# Allegro board WNS_FDM_2V1-1221P2.brd (continued)
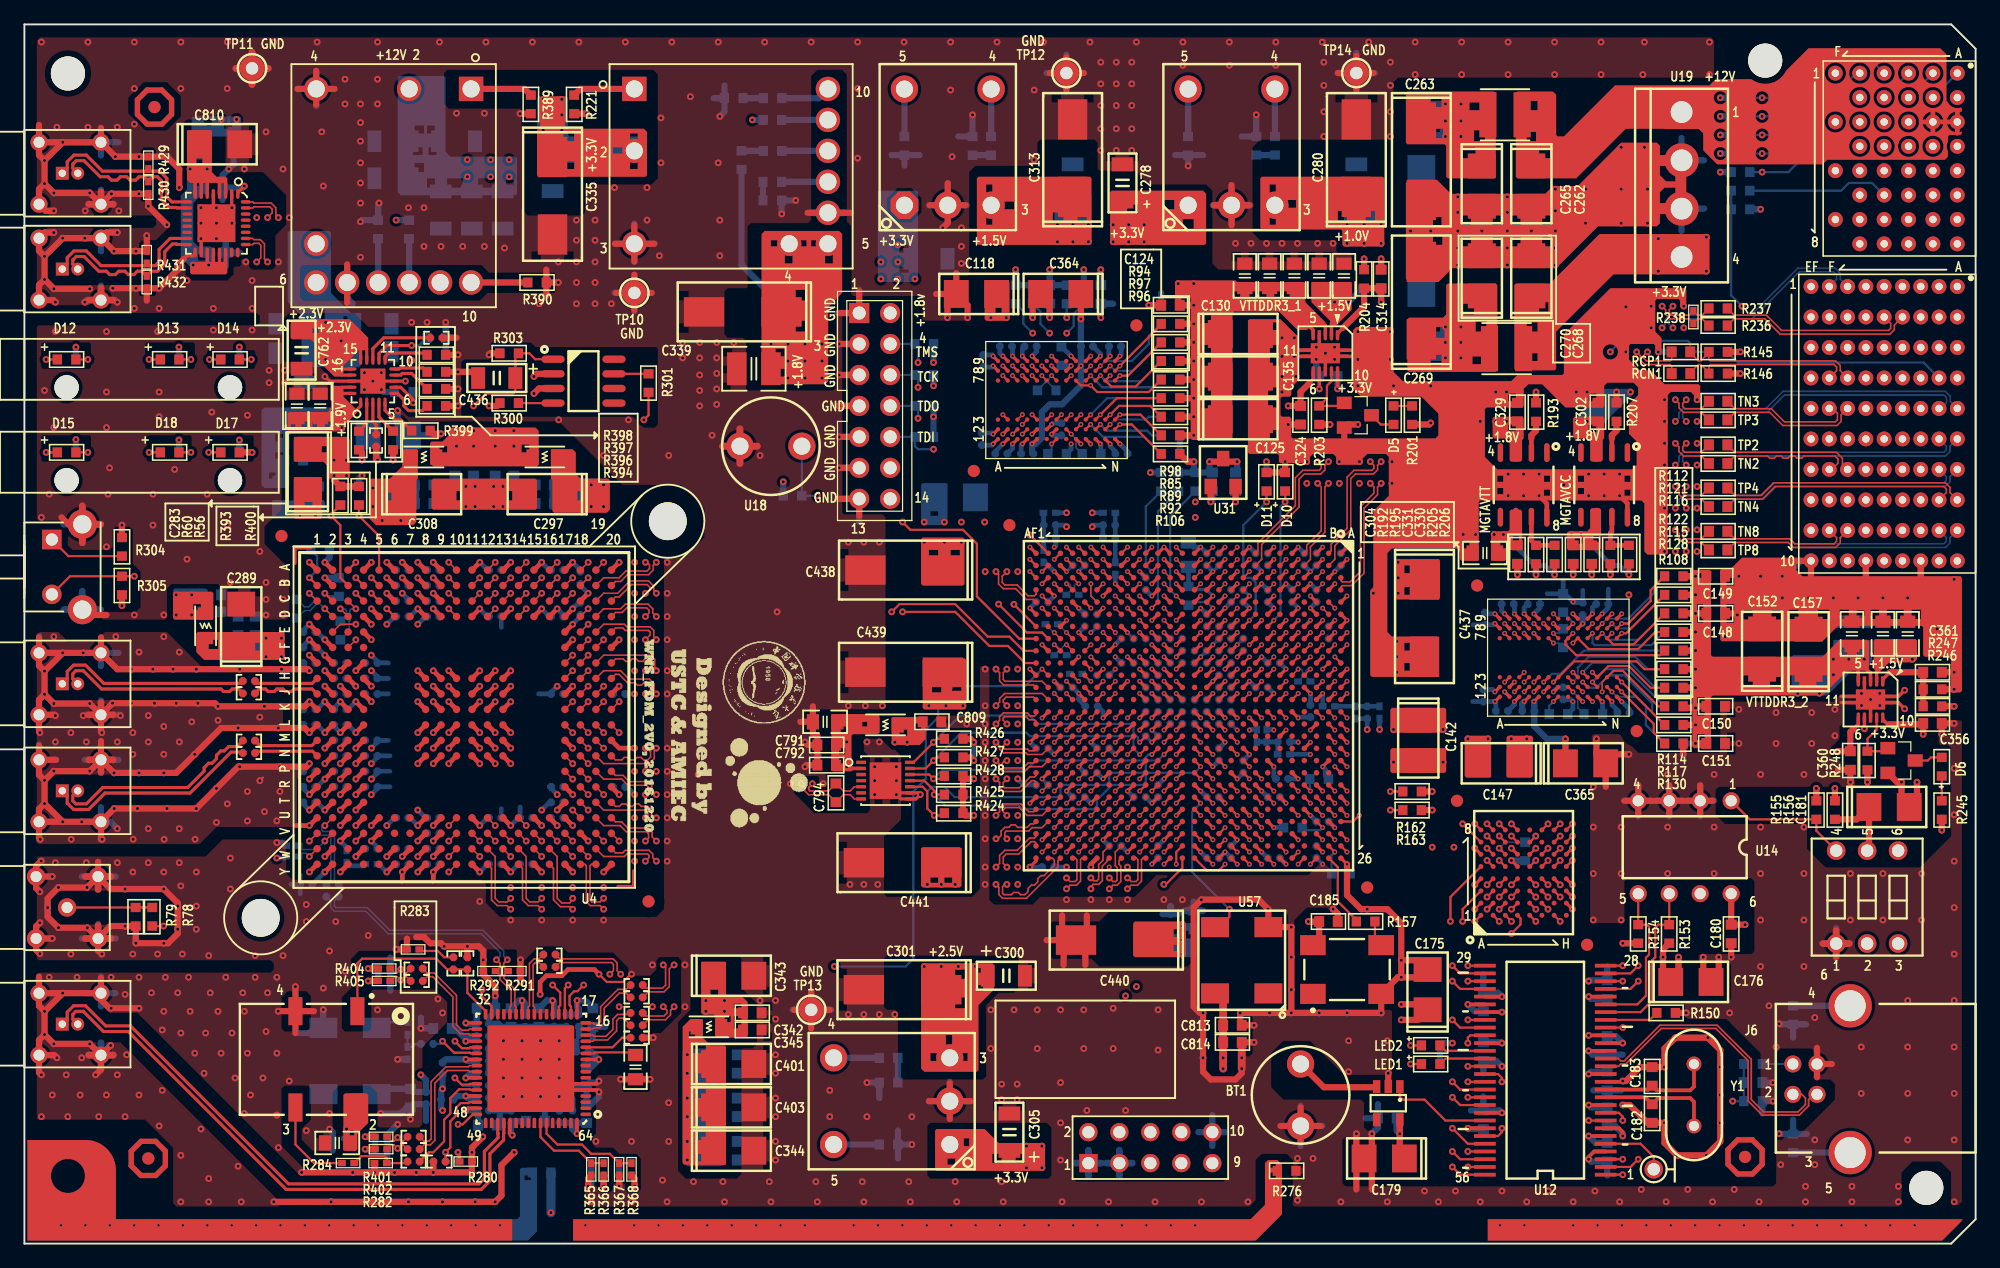
[diagram p0: board, top side]
## Copper pours and planes (outline as drawn; the poured copper is in the pictures) (continued)
+2.5V on BOTTOM: 73.53,22.61 73.53,34.29 73.91,34.67 81.66,34.67 82.3,35.31 84.84,35.31 85.34,34.8 88.65,34.8 88.77,34.92 88.77,36.45 89.15,36.83 89.66,36.83 89.79,36.96 89.79,37.21 89.92,37.34 90.42,37.34 90.55,37.21 90.55,36.96 90.3,36.7 90.3,36.07 90.55,35.81 91.95,35.81 92.33,35.43 92.33,27.43 91.19,26.29 78.49,26.29 78.23,26.04 78.23,22.61 78.11,22.48 73.66,22.48 ; 2 cut-outs
+2.5V on ART03: 73.91,29.21 77.85,29.21 78.61,29.97 83.69,29.97 85.09,31.37 90.68,31.37 91.06,31.75 91.06,33.4 91.69,34.04 91.69,34.42 92.08,34.8 92.08,37.47 91.82,37.72 87.12,37.72 86.87,37.47 86.87,36.2 86.49,35.81 84.58,35.81 81.79,33.02 73.91,33.02 73.79,32.89 73.79,29.34
+3.3V on TOP (solid shape): 73.91,43.05 73.91,41.4 73.41,40.89 71.25,40.89 71.12,41.02 71.12,41.66 72.39,41.66 72.39,42.16 73.53,42.16 73.53,42.67 73.03,42.67 73.03,42.16 71.75,42.16 71.75,41.66 71.12,41.66 71.12,43.05 71.25,43.18 73.79,43.18
+3.3V on TOP (solid shape): 95.25,26.29 95.25,23.62 95.12,23.5 91.06,23.5 90.93,23.62 90.93,24 94.74,24 94.74,24.51 93.98,24.51 93.98,24 90.93,24 90.93,25.15 94.74,25.15 94.74,25.78 93.98,25.78 93.98,25.15 90.93,25.15 90.93,26.29 91.06,26.42 95.12,26.42
+3.3V on TOP (solid shape): 96.9,86.11 96.9,82.04 96.77,81.92 89.15,81.92 89.03,82.04 89.03,83.06 95.89,83.06 95.89,84.71 95,84.71 95,83.06 89.03,83.06 89.03,84.45 91.31,84.45 91.31,84.84 94.74,84.84 94.74,85.6 93.34,85.6 93.34,84.84 91.31,84.84 91.31,85.22 90.42,85.22 90.42,84.45 89.03,84.45 89.03,86.23 89.15,86.36 96.65,86.36
+3.3V on TOP (solid shape): 79.88,8.26 83.57,8.26 83.69,8.13 83.69,6.1 83.57,5.97 74.8,5.97 74.68,6.1 74.68,6.48 76.33,6.48 76.33,6.6 82.04,6.6 82.04,7.37 81.28,7.37 81.28,6.6 80.14,6.6 80.14,7.37 79.38,7.37 79.38,6.6 76.33,6.6 76.33,7.62 75.69,7.62 75.69,6.48 74.68,6.48 74.68,8 77.47,8 77.47,8.64 76.45,8.64 76.45,8 74.68,8 74.68,9.27 74.8,9.4 78.74,9.4
+3.3V on TOP (solid shape): 120.78,78.61 120.78,71.63 120.65,71.5 113.54,71.5 113.41,71.63 113.41,72.01 116.2,72.01 116.2,72.14 119.76,72.14 119.76,72.77 118.75,72.77 118.75,72.14 116.2,72.14 116.2,72.9 115.32,72.9 115.32,72.01 113.41,72.01 113.41,74.3 116.46,74.3 116.46,74.8 119.89,74.8 119.89,75.69 119,75.69 119,74.8 116.46,74.8 116.46,75.18 115.57,75.18 115.57,74.3 113.41,74.3 113.41,75.82 113.54,75.95 116.33,75.95 116.59,76.2 118.87,76.2 118.87,77.09 117.98,77.09 117.98,76.2 116.59,76.2 116.59,78.61 116.71,78.74 120.65,78.74
+3.3V on TOP (solid shape): 57.53,22.99 57.53,20.45 57.66,20.32 58.8,20.32 59.31,19.81 59.31,17.02 59.18,16.89 56.77,16.89 56.64,17.02 56.64,17.65 58.8,17.65 58.8,18.67 58.17,18.67 58.17,17.65 56.64,17.65 56.64,18.16 57.91,18.16 57.91,18.67 57.4,18.67 57.4,18.16 56.64,18.16 56.64,18.67 56.52,18.8 55.63,18.8 55.5,18.92 55.5,19.3 58.8,19.3 58.8,19.68 58.17,19.68 58.17,19.3 55.5,19.3 55.5,20.32 56.9,20.32 56.9,20.95 56.26,20.95 56.26,20.32 55.5,20.32 55.5,22.99 55.63,23.11 57.4,23.11
+3.3V on TOP (solid shape): 44.32,93.98 44.32,91.69 44.58,91.44 50.8,91.44 51.05,91.19 51.05,87.63 50.93,87.5 42.16,87.5 42.04,87.63 42.04,88.14 50.29,88.14 50.29,89.15 49.66,89.15 49.66,88.14 45.09,88.14 45.09,88.77 44.32,88.77 44.32,88.14 42.04,88.14 42.04,89.41 49.4,89.41 49.4,89.92 48.26,89.92 48.26,89.41 42.04,89.41 42.04,90.42 50.29,90.42 50.29,91.06 49.66,91.06 49.66,90.42 45.09,90.42 45.09,91.06 44.2,91.06 44.2,90.42 42.04,90.42 42.04,91.31 42.29,91.57 42.29,93.98 42.42,94.11 44.2,94.11
+3.3V on BOTTOM (solid shape): 73.28,86.23 73.28,78.99 73.15,78.87 70.1,78.87 69.98,78.99 69.98,79.63 72.52,79.63 72.52,80.14 71.75,80.14 71.75,79.63 69.98,79.63 69.98,81.28 72.52,81.28 72.52,81.92 71.75,81.92 71.75,81.28 69.98,81.28 69.98,86.23 70.1,86.36 73.15,86.36
+3.3V on BOTTOM (solid shape): 96.39,26.16 96.39,23.62 96.27,23.5 93.6,23.5 93.47,23.62 93.47,25.02 95.76,25.02 95.76,25.65 95.12,25.65 95.12,25.02 93.47,25.02 93.47,25.4 94.49,25.4 94.49,26.04 93.98,26.04 93.98,25.4 93.47,25.4 93.47,26.16 93.6,26.29 96.27,26.29
+3.3V on BOTTOM (solid shape): 117.98,75.44 117.98,72.52 117.86,72.39 113.67,72.39 113.54,72.52 113.54,73.15 116.08,73.15 116.08,73.79 115.19,73.79 115.19,73.15 113.54,73.15 113.54,74.8 116.08,74.8 116.08,75.18 115.32,75.18 115.32,74.8 113.54,74.8 113.54,75.44 113.67,75.56 117.86,75.56
+3.3V on BOTTOM (solid shape): 44.58,93.98 44.58,90.93 44.7,90.81 50.67,90.81 51.05,90.42 51.05,89.03 50.67,88.65 42.16,88.65 42.04,88.77 42.04,89.66 44.58,89.66 44.58,90.3 43.81,90.3 43.81,89.66 43.05,89.66 43.05,90.3 42.42,90.3 42.42,89.66 42.04,89.66 42.04,93.98 42.16,94.11 44.45,94.11
+3.3V on BOTTOM (solid shape): 17.78,92.33 17.78,90.93 17.65,90.81 15.11,90.81 14.99,90.93 13.84,90.93 13.72,91.06 13.72,91.44 17.02,91.44 17.02,91.95 16.38,91.95 16.38,91.44 13.72,91.44 13.72,91.69 15.37,91.69 15.37,92.2 14.73,92.2 14.73,91.69 13.72,91.69 13.72,92.33 13.84,92.46 17.65,92.46
+3.3V on POWER05: 54.23,3.56 54.23,16.93 55.5,18.2 55.5,24.21 53.55,26.16 39.45,26.16 38.73,26.88 38.73,28.53 37.8,29.46 37.04,29.46 36.58,29.93 36.58,57.11 31.83,61.85 19.22,61.85 17.91,60.54 17.91,51.52 17.57,51.18 6.1,51.18 5.33,50.42 4.06,50.42 3.3,51.18 1.52,51.18 1.52,75.31 19.39,75.31 20.19,76.12 20.19,77.47 22.48,79.76 22.48,82.68 23.37,83.57 23.37,89.62 22.31,90.68 16.21,90.68 15.11,91.78 15.11,97.96 15.63,98.48 157.37,98.48 158.48,97.37 158.48,3.05 104.39,3.05 104.01,3.43 104.01,6.6 103.25,7.37 101.73,7.37 100.97,6.6 100.97,3.56 100.46,3.05 54.74,3.05 ; 1 cut-out
+3.3V on POWER06: 56.01,3.68 56.01,16.47 55.5,16.97 55.5,23.84 55.53,23.88 55.5,24.05 55.5,28.28 54.48,29.29 54.48,58 48.47,64.01 28.62,64.01 25.4,60.79 25.4,53.19 25.02,52.81 25.02,52.05 24.66,51.69 22.94,51.69 22.69,51.94 22.27,51.94 21.51,51.18 6.1,51.18 5.33,50.42 4.06,50.42 3.3,51.18 1.52,51.18 1.52,75.31 19.39,75.31 20.19,76.12 20.19,77.47 22.48,79.76 22.48,82.68 23.37,83.57 23.37,89.62 22.31,90.68 16.21,90.68 15.11,91.78 15.11,97.96 15.63,98.48 157.37,98.48 158.48,97.37 158.48,3.05 104.39,3.05 104.01,3.43 104.01,6.6 103.25,7.37 101.73,7.37 100.97,6.6 100.97,3.56 100.46,3.05 56.64,3.05 ; 1 cut-out
+3.3V on ART08: 92.58,41.78 92.33,41.53 92.33,40.77 92.84,40.26 92.84,38.35 93.22,37.97 93.85,37.97 94.36,38.48 94.87,38.48 95.12,38.73 95.12,41.53 94.87,41.78
+3.3V_BUF on TOP (solid shape): 16.64,80.39 16.64,79.63 16.51,79.5 13.72,79.5 13.59,79.63 13.59,80.39 13.72,80.52 16.51,80.52
+3.3V_BUF on TOP (solid shape): 15.37,91.19 15.37,87.88 15.75,87.5 16.51,87.5 16.64,87.38 16.64,87.12 16.51,87 13.59,87 13.34,87.25 13.34,88.52 14.61,88.52 14.61,89.41 14.1,89.41 14.1,88.52 13.34,88.52 13.34,91.19 13.46,91.31 15.24,91.31
+3.3V_BUF on BOTTOM (solid shape): 15.24,89.79 15.24,87.25 15.11,87.12 15.11,86.23 14.99,86.11 14.61,86.11 13.84,85.34 13.84,82.17 14.22,81.79 15.24,81.79 15.37,81.66 15.37,80.14 15.24,80.01 13.72,80.01 13.08,80.64 14.86,80.64 14.86,81.15 14.22,81.15 14.22,80.64 13.08,80.64 12.83,80.9 12.83,85.98 13.34,86.49 13.34,86.74 14.73,86.74 14.73,87.25 13.97,87.25 13.97,86.74 13.34,86.74 13.34,88.52 14.61,88.52 14.61,89.15 14.1,89.15 14.1,88.52 13.34,88.52 13.34,89.66 13.59,89.92 15.11,89.92
+3.3V_IN on TOP (solid shape): 138.18,82.68 138.18,79.63 138.05,79.5 130.3,79.5 125.6,74.8 125.6,71.75 125.48,71.63 122.3,71.63 122.17,71.75 122.17,72.39 124.08,72.39 124.08,73.03 123.32,73.03 123.32,72.39 122.17,72.39 122.17,74.8 124.08,74.8 124.08,75.56 123.19,75.56 123.19,74.8 122.17,74.8 122.17,76.45 124.97,76.45 124.97,77.22 124.21,77.22 124.21,76.45 122.17,76.45 122.17,78.61 122.3,78.74 125.09,78.74 129.16,82.8 138.05,82.8
+3.3V_IN on ART08, ART10: 145.67,91.06 155.57,91.06 155.7,90.93 155.7,85.22 155.32,84.84 147.96,84.84 141.73,78.61 133.86,78.61 133.73,78.74 133.73,82.8 133.99,83.06 138.94,83.06 140.21,84.33 140.21,89.53 140.34,89.66 143.13,89.66 143.89,90.42 145.03,90.42
+3.3V_T on TOP (solid shape): 70.1,43.31 70.1,41.91 69.98,41.78 67.94,41.78 67.82,41.66 67.82,39.24 67.94,39.12 67.94,38.86 67.82,38.73 66.29,38.73 66.17,38.86 66.17,39.37 67.31,39.37 67.31,39.88 66.8,39.88 66.8,39.37 66.17,39.37 66.17,40.13 67.31,40.13 67.31,40.64 66.8,40.64 66.8,40.13 66.17,40.13 66.17,41.91 67.44,41.91 67.44,42.42 69.47,42.42 69.47,42.8 68.71,42.8 68.71,42.42 66.93,42.42 66.93,41.91 66.17,41.91 66.17,43.31 66.29,43.43 69.98,43.43
+3.3V_T on ART03: 78.23,35.05 77.72,34.54 67.44,34.54 67.06,34.92 67.06,41.78 67.18,41.91 74.93,41.91 76.96,39.88 78.11,39.88 78.23,39.75
+3.3VPLL on TOP (solid shape): 28.19,12.19 28.19,9.91 27.3,9.02 27.3,7.75 27.18,7.62 26.29,7.62 26.16,7.75 26.16,8.64 27.05,8.64 27.05,9.27 26.67,9.27 26.67,8.64 26.16,8.64 26.16,12.19 26.29,12.32 28.07,12.32
+3.3VPLL on TOP (solid shape): 55.63,18.29 55.63,16.89 56.26,16.26 57.4,16.26 57.53,16.13 57.53,6.6 57.4,6.48 54.1,6.48 53.98,6.6 53.98,6.73 55.88,6.73 55.88,7.37 54.99,7.37 54.99,6.73 53.98,6.73 53.98,8.51 55.88,8.51 55.88,9.14 54.99,9.14 54.99,8.51 53.98,8.51 53.98,9.65 55.88,9.65 55.88,10.41 54.99,10.41 54.99,9.65 53.98,9.65 53.98,11.94 55.88,11.94 55.88,12.7 54.99,12.7 54.99,11.94 53.98,11.94 53.98,13.21 55.88,13.21 55.88,13.97 54.99,13.97 54.99,13.21 53.98,13.21 53.98,15.62 55.88,15.62 55.88,16.26 54.86,16.26 54.86,15.62 53.98,15.62 53.98,16.89 54.99,16.89 54.99,17.4 54.48,17.4 54.48,16.89 53.98,16.89 53.98,17.78 54.61,18.41 55.5,18.41
+3.3VPLL on BOTTOM (solid shape): 57.28,15.88 57.28,6.48 57.15,6.35 54.36,6.35 53.98,6.73 53.98,7.11 56.77,7.11 56.77,8.13 56.13,8.13 56.13,7.11 53.98,7.11 53.98,8.64 56.77,8.64 56.77,9.14 56.13,9.14 56.13,8.64 53.98,8.64 53.98,9.65 56.9,9.65 56.9,10.16 56.13,10.16 56.13,9.65 53.98,9.65 53.98,10.67 56.9,10.67 56.9,11.68 56.13,11.68 56.13,10.67 53.98,10.67 53.98,12.19 56.77,12.19 56.77,12.7 56.13,12.7 56.13,12.19 53.98,12.19 53.98,13.21 56.77,13.21 56.77,13.72 56.13,13.72 56.13,13.21 53.98,13.21 53.98,14.22 56.77,14.22 56.77,15.37 56.13,15.37 56.13,14.22 53.98,14.22 53.98,15.75 54.23,16 57.15,16
+3.3VPLL on POWER06: 24.51,3.68 24.51,12.4 22.61,14.31 22.61,19.22 23.07,19.68 32.98,19.68 35.14,21.84 45.93,21.84 47.58,23.5 53.89,23.5 54.48,22.9 54.48,16.55 54.99,16.05 54.99,3.68 54.36,3.05 46.35,3.05 45.85,3.56 45.85,5.71 44.96,6.6 40.26,6.6 39.5,5.84 39.5,3.94 38.61,3.05 25.15,3.05
+12V on TOP (solid shape): 120.65,94.36 120.65,87.5 120.52,87.38 116.71,87.38 116.59,87.5 116.59,89.03 119,89.03 119,89.92 117.86,89.92 117.86,89.03 116.59,89.03 116.59,90.04 116.46,90.17 113.41,90.17 113.28,90.3 113.28,90.42 119.76,90.42 119.76,91.31 118.87,91.31 118.87,90.42 113.28,90.42 113.28,90.68 116.33,90.68 116.33,91.44 115.32,91.44 115.32,90.68 113.28,90.68 113.28,92.96 119.51,92.96 119.51,93.6 118.49,93.6 118.49,92.96 113.28,92.96 113.28,93.22 116.2,93.22 116.2,93.98 115.32,93.98 115.32,93.22 113.28,93.22 113.28,94.36 113.41,94.49 120.52,94.49
+12V on BOTTOM (solid shape): 117.98,93.6 117.98,90.68 117.86,90.55 113.54,90.55 113.41,90.68 113.41,91.19 116.08,91.19 116.08,91.69 115.32,91.69 115.32,91.19 113.41,91.19 113.41,92.33 116.08,92.33 116.08,92.96 115.19,92.96 115.19,92.33 113.41,92.33 113.41,93.6 113.54,93.73 117.86,93.73
+12V on BOTTOM (solid shape): 34.54,95.63 34.54,89.53 34.92,89.15 40.26,89.15 40.39,89.03 40.39,86.11 40.26,85.98 30.86,85.98 30.61,86.23 30.61,86.61 38.61,86.61 38.61,86.74 40.13,86.74 40.13,87.25 39.5,87.25 39.5,86.74 38.61,86.74 38.61,87.38 37.21,87.38 37.21,86.61 35.94,86.61 35.94,87.38 34.67,87.38 34.67,86.61 33.66,86.61 33.66,87.38 33.02,87.38 33.02,86.61 30.61,86.61 30.61,87.88 32.77,87.88 32.77,88.65 32,88.65 32,87.88 30.61,87.88 30.61,89.28 33.78,89.28 33.78,89.92 33.15,89.92 33.15,89.28 32.64,89.28 32.64,89.92 31.88,89.92 31.88,89.28 30.61,89.28 30.61,91.06 33.66,91.06 33.66,91.69 33.02,91.69 33.02,91.06 32.77,91.06 32.77,91.69 32,91.69 32,91.06 30.61,91.06 30.61,95.63 30.73,95.76 34.42,95.76
+12V on ART03: 98.17,86.74 117.6,86.74 118.24,87.38 118.24,93.47 117.73,93.98 69.09,93.98 67.44,92.33 67.44,81.41 66.55,80.52 48.77,80.52 47.5,81.79 47.5,89.28 47.24,89.53 36.2,89.53 35.94,89.28 35.94,81.66 37.97,79.63 37.97,75.56 38.23,75.31 66.17,75.31 66.42,75.56 66.42,76.83 68.96,79.38 78.36,79.38 85.85,86.87 98.04,86.87
+12V on ART08: 98.17,86.74 117.6,86.74 118.24,87.38 118.24,93.47 117.73,93.98 69.09,93.98 67.44,92.33 67.44,81.41 66.55,80.52 48.64,80.52 47.5,81.66 47.5,89.53 47.24,89.79 36.2,89.79 35.94,89.53 35.94,81.66 37.97,79.63 37.97,74.93 38.23,74.68 67.69,74.68 67.94,74.93 76.45,74.93 76.71,75.18 76.71,78.23 80.26,81.79 82.17,81.79 87.25,86.87 98.04,86.87
+12V_IN on TOP (solid shape): outline of 1791 points within 122.3,87.38 158.88,98.04
+12V_IN on ART08: 141.99,95.38 143.38,95.38 145.92,97.92 157.23,97.92 157.61,97.54 157.61,93.73 158.12,93.22 158.88,93.22 158.98,93.11 158.98,91.95 158.73,91.69 155.57,91.69 155.45,91.82 155.45,92.46 155.07,92.84 146.69,92.84 145.29,91.44 144.27,91.44 143.51,90.68 139.95,90.68 139.57,91.06 138.81,91.06 138.56,90.81 133.99,90.81 133.86,90.93 133.86,96.9 134.11,97.16 140.21,97.16
+12V_IN on ART10: 141.99,95.38 143.38,95.38 145.92,97.92 157.23,97.92 157.61,97.54 157.61,93.73 158.12,93.22 158.88,93.22 158.88,93.2 158.98,93.09 158.98,91.95 158.73,91.69 155.57,91.69 155.45,91.82 155.45,92.58 155.19,92.84 146.69,92.84 145.29,91.44 144.27,91.44 143.51,90.68 139.95,90.68 139.57,91.06 138.81,91.06 138.56,90.81 133.99,90.81 133.86,90.93 133.86,97.28 134.24,97.66 139.7,97.66
GND on TOP (solid shape): 45.09,17.78 45.09,10.92 44.96,10.79 38.1,10.79 37.97,10.92 37.97,17.78 38.1,17.91 44.96,17.91
GND on TOP (solid shape): 116.59,40.51 116.59,38.73 116.46,38.61 112.14,38.61 112.01,38.73 112.01,40.51 112.14,40.64 116.46,40.64
GND on TOP (solid shape): 120.27,41.53 120.27,38.35 120.14,38.23 118.24,38.23 118.11,38.35 118.11,41.53 118.24,41.66 120.14,41.66
GND on TOP (solid shape): 26.67,65.91 26.67,62.87 26.54,62.74 25.02,62.74 24.89,62.87 24.89,63.75 24.51,64.14 22.23,64.14 22.1,64.26 22.1,64.9 24.89,64.9 24.89,65.41 24.13,65.41 24.13,64.9 22.1,64.9 22.1,65.91 22.35,66.17 26.42,66.17
GND on TOP (solid shape): 42.04,62.61 42.04,60.33 41.91,60.2 33.53,60.2 33.4,60.33 33.4,60.96 40.26,60.96 40.26,61.72 39.5,61.72 39.5,60.96 35.81,60.96 35.81,61.72 35.18,61.72 35.18,60.96 33.4,60.96 33.4,62.61 33.53,62.74 41.91,62.74
GND on TOP (solid shape): outline of 84 points within 139.06,45.21 158.88,56.26
GND on TOP (solid shape): outline of 86 points within 113.28,78.87 136.27,90.3
GND on TOP (solid shape): outline of 302 points within 100.33,46.48 137.41,78.36
GND on TOP: outline of 687 points within 1.02,3.05 158.88,98.93 ; 79 cut-outs
GND on TOP: 1.14,32.77 1.02,32.89 1.02,33.55 1.05,33.62 1.13,33.65 2.15,34.6 1.13,35.55 1.05,35.58 1.02,35.65 1.02,38.63 1.05,38.7 1.13,38.73 2.15,39.68 1.13,40.63 1.05,40.66 1.02,40.73 1.02,42.83 1.05,42.9 1.13,42.93 2.15,43.88 1.13,44.83 1.05,44.86 1.02,44.93 1.02,49.91 1.27,50.16 2.79,50.16 3.56,49.4 5.84,49.4 6.6,50.16 11.68,50.16 14.48,47.37 14.48,47.12 14.22,46.86 7.49,46.86 6.1,48.26 3.3,48.26 1.91,46.86 1.91,45.21 2.54,44.58 15.62,44.58 15.88,44.32 21.08,44.32 21.21,44.2 21.21,42.16 21.08,42.04 16.26,42.04 12.57,38.35 7.24,38.35 7.11,38.48 2.54,38.48 1.91,37.85 1.91,36.2 3.3,34.8 5.23,34.8 5.3,34.76 5.33,34.69 6.67,33.73 6.84,35.37 6.8,35.45 6.82,35.53 7.24,35.94 13.97,35.94 17.4,39.37 22.99,39.37 23.24,39.62 23.37,39.62 23.62,39.37 22.35,38.1 22.35,34.16 15.75,34.16 14.35,32.77
GND on BOTTOM: outline of 336 points within 1.02,3.05 158.88,98.93 ; 111 cut-outs
GND on BOTTOM: 1.14,32.77 1.02,32.89 1.02,33.55 1.05,33.62 1.13,33.65 2.15,34.6 1.13,35.55 1.05,35.58 1.02,35.65 1.02,46.23 1.02,50.04 1.14,50.16 2.79,50.16 3.56,49.4 5.84,49.4 6.6,50.16 15.62,50.16 15.88,49.91 15.88,47.62 16.13,47.37 20.95,47.37 21.34,46.99 21.34,34.29 21.21,34.16 15.75,34.16 14.35,32.77
GND on BOTTOM: 29.08,52.45 28.19,52.45 28.07,52.32 28.07,48.26 28.19,48.13 28.57,48.13 28.7,48.26 29.59,48.26 29.72,48.13 29.72,36.45 29.46,36.2 25.91,36.2 25.65,35.94 25.65,34.16 26.42,33.4 27.69,33.4 28.19,32.89 28.45,32.89 28.96,33.4 29.72,33.4 29.97,33.66 29.97,34.42 29.72,34.67 29.72,35.18 30.1,35.56 31.88,35.56 32.13,35.31 32.38,35.31 32.64,35.56 42.04,35.56 42.29,35.31 42.55,35.31 42.67,35.43 42.67,35.69 42.29,36.07 42.29,50.29 41.91,50.67 32.77,50.67 32.51,50.93 32.13,50.93 31.88,50.67 30.1,50.67 29.21,51.56 29.21,52.32
GND on GND02: outline of 104 points within 1.02,3.05 158.98,98.98
GND on ART03: outline of 651 points within 1.02,3.05 141.1,98.93
GND on ART03: 66.67,74.68 53.72,74.68 53.59,74.55 53.59,68.45 64.77,57.28 70.36,57.28 70.48,57.4 70.48,59.44 70.36,59.56 67.44,59.56 67.06,59.94 67.06,74.3
GND on ART03: 104.14,7.24 121.28,7.24 122.56,8.51 122.56,22.1 122.94,22.48 127,22.48 130.3,25.78 130.3,35.56 136.27,41.53 136.27,47.88 136.53,48.13 136.78,48.13 140.59,51.94 141.99,51.94 143.89,53.85 143.89,54.74 144.02,54.86 144.4,54.86 145.41,53.85 149.35,53.85 150.24,54.74 158.5,54.74 158.88,54.36 158.88,44.54 158.8,44.44 158.69,44.49 157.71,44.2 158.69,43.91 158.8,43.95 158.88,43.85 158.88,3.17 158.75,3.05 104.39,3.05 104.01,3.43 104.01,7.11
GND on ART03: 95.63,18.8 95.63,12.06 96.65,11.05 96.65,8 96.9,7.75 98.42,7.75 103,12.32 113.79,12.32 114.05,12.57 114.05,16.64 113.28,17.4 113.28,23.24 111.51,25.02 105.16,25.02 102.36,27.81 99.82,27.81 97.28,25.27 97.28,20.45
GND on GND04, GND07: outline of 104 points within 1.02,3.05 158.98,98.98
GND on POWER05: 14.82,31.75 16.21,33.15 18.97,33.15 19.18,32.94 19.18,31.03 22.01,28.19 23.79,28.19 24,27.98 24,25.48 21.76,23.24 1.02,23.24 0.89,23.37 0.89,31.5 1.14,31.75
GND on POWER05: 8.97,3.05 8.51,3.51 8.51,7.45 6.43,9.53 1.4,9.53 1.02,9.91 1.02,21.97 1.27,22.23 22.18,22.23 25.02,25.06 25.02,27.98 25.23,28.19 35.26,28.19 35.52,28.45 37.38,28.45 37.72,28.11 37.72,26.46 39.03,25.15 53.13,25.15 54.48,23.79 54.48,18.63 53.21,17.36 53.21,3.56 52.7,3.05 46.35,3.05 45.85,3.56 45.85,5.71 44.96,6.6 40.26,6.6 39.5,5.84 39.5,3.94 38.61,3.05
GND on POWER05: 2.79,50.16 3.56,49.4 5.84,49.4 6.6,50.16 21.93,50.16 22.94,51.18 24.02,51.18 25.02,50.19 25.02,48.54 25.55,48.01 27.33,48.01 27.56,47.77 27.56,43.54 26.29,42.27 26.29,40.49 26.06,40.26 25.55,40.26 25.02,39.73 25.02,39.22 24.79,38.99 24.28,38.99 23.75,38.46 23.75,37.95 23.52,37.72 22.88,37.72 22.48,37.32 22.48,34.5 22.23,34.16 15.79,34.16 14.39,32.77 1.02,32.77 0.89,32.89 0.89,49.91 1.14,50.16
GND on POWER05: 10.54,83.31 10.79,83.57 10.79,84.07 10.54,84.33 1.14,84.33 1.02,84.45 1.02,98.68 1.27,98.93 13.84,98.93 14.1,98.68 14.1,91.36 15.79,89.66 21.89,89.66 22.35,89.2 22.35,84.07 21.46,83.19 21.46,80.26 19.18,77.98 19.18,76.54 18.97,76.33 1.14,76.33 1.02,76.45 1.02,83.19 1.14,83.31
GND on POWER06: 14.82,31.75 16.21,33.15 22.56,33.15 22.82,33.4 23.73,33.4 24.26,33.93 24.26,34.44 24.49,34.67 26.27,34.67 26.8,35.2 26.8,35.71 27.03,35.94 27.2,35.94 27.56,35.58 27.56,31.39 27.69,31.26 27.69,28.79 22.14,23.24 1.02,23.24 0.89,23.37 0.89,31.5 1.14,31.75
GND on POWER06: 14.1,91.36 15.79,89.66 21.89,89.66 22.35,89.2 22.35,84.07 21.46,83.19 21.46,80.26 19.18,77.98 19.18,76.54 18.97,76.33 1.27,76.33 1.02,76.58 1.02,83.06 1.27,83.31 10.54,83.31 10.79,83.57 10.79,84.07 10.54,84.33 1.14,84.33 1.02,84.45 1.02,98.68 1.27,98.93 13.72,98.93 14.1,98.55
GND on POWER06: 8.97,3.05 8.51,3.51 8.51,7.45 6.43,9.53 1.4,9.53 1.02,9.91 1.02,21.97 1.27,22.23 22.56,22.23 28.4,28.07 35.77,28.07 37.04,29.34 37.08,29.34 37.21,29.46 52.83,29.46 53,29.3 53.04,29.3 53.21,29.13 53.21,29.02 53.42,28.92 54.48,27.86 54.48,25.11 54.48,25.09 53.89,24.51 47.16,24.51 45.51,22.86 34.71,22.86 32.56,20.7 22.65,20.7 21.59,19.64 21.59,13.89 23.5,11.98 23.5,3.81 22.73,3.05
GND on POWER06: 2.79,50.16 3.56,49.4 5.84,49.4 6.6,50.16 21.93,50.16 22.94,51.18 24.02,51.18 25.02,50.19 25.02,48.54 25.55,48.01 27.33,48.01 27.96,47.37 28.72,47.37 28.96,47.14 28.96,36.68 28.72,36.45 26.82,36.45 26.29,35.92 26.29,35.41 26.06,35.18 24.28,35.18 23.75,34.65 23.75,34.14 23.52,33.91 22.82,33.91 22.56,34.16 15.79,34.16 14.39,32.77 1.02,32.77 0.89,32.89 0.89,49.91 1.14,50.16
GND on ART08: outline of 207 points within 1.02,3.05 100.97,50.16
GND on ART08: outline of 257 points within 1.02,51.18 138.56,98.93
GND on ART08: outline of 110 points within 103.89,3.05 158.88,55.12
GND on GND09: outline of 104 points within 1.02,3.05 158.98,98.98
GND on ART10: outline of 217 points within 1.02,51.18 138.43,98.93
GND on ART10: 1.14,32.77 1.02,32.89 1.02,33.55 1.05,33.62 1.13,33.65 2.15,34.6 1.13,35.55 1.05,35.58 1.02,35.65 1.02,38.63 1.05,38.7 1.13,38.73 2.15,39.68 1.13,40.63 1.05,40.66 1.02,40.73 1.02,50.04 1.14,50.16 2.79,50.16 3.56,49.4 5.84,49.4 6.6,50.16 18.41,50.16 18.67,49.91 18.67,36.32 19.3,35.69 22.48,35.69 23.75,34.42 23.75,34.16 23.5,33.91 22.86,33.91 22.61,34.16 15.75,34.16 14.35,32.77
GND on ART10: outline of 211 points within 1.02,3.05 158.88,58.8
GND on GND11: outline of 104 points within 1.02,3.05 158.98,98.98
BANK16_VREF_T0 on ART08: 100.08,45.21 100.08,44.58 101.09,43.56 101.09,41.78 100.84,41.53 98.04,41.53 97.79,41.78 97.79,46.35 98.17,46.74 100.46,46.74 101.09,47.37 101.47,47.37 101.73,47.12 101.73,46.86 101.09,46.23 101.09,45.85 100.71,45.47 100.33,45.47
ESD_S1 on TOP (solid shape): 5,8.5 6.77,7.77 7.5,6 7.5,2 40,2 40,0.25 0.25,0.25 0.25,8.5
ESD_S1 on BOTTOM (solid shape): 5,8.5 5.07,8.5 5.21,8.49 5.35,8.48 5.49,8.45 5.62,8.42 5.76,8.38 5.89,8.34 6.02,8.28 6.15,8.22 6.27,8.15 6.39,8.08 6.5,8 6.61,7.91 6.72,7.82 6.82,7.72 6.91,7.61 7,7.5 7.08,7.39 7.15,7.27 7.22,7.15 7.28,7.02 7.34,6.89 7.38,6.76 7.42,6.62 7.45,6.49 7.48,6.35 7.49,6.21 7.5,6.07 7.5,6 7.5,2 40,2 40,2 40.39,2 40.64,2.25 40.64,5.21 41.53,5.21 41.53,5.59 41.02,5.59 41.02,5.21 40.64,5.21 40.64,6.1 40.77,6.22 41.91,6.22 42.04,6.1 42.04,1.02 41.27,0.25 0.25,0.25 0.25,8.5
ESD_S2 on TOP (solid shape): 158.75,2 158.85,1.94 158.83,1.83 157.25,0.25 120,0.25 120,2
ESD_S2 on BOTTOM (solid shape): 157.25,0.25 120,0.25 120,2 159,2
ESD_S3 on TOP (solid shape): 103.12,6.48 103.12,2.41 100.97,0.25 45,0.25 45,2 100.55,2 101.73,3.17 101.73,5.33 102.62,5.33 102.62,5.84 102.11,5.84 102.11,5.33 101.73,5.33 101.73,6.22 102.62,6.22 102.62,6.6 102.11,6.6 102.11,6.22 101.73,6.22 101.73,6.6 101.98,6.86 102.74,6.86
ESD_S3 on BOTTOM (solid shape): 100,0.25 45,0.25 45,2 100,2
MGTAVCC on TOP (solid shape): 129.29,60.2 129.29,57.02 129.16,56.9 126.62,56.9 126.49,57.02 126.49,57.4 127.76,57.4 127.76,57.53 129.16,57.53 129.16,58.04 128.65,58.04 128.65,57.53 127.76,57.53 127.76,57.91 127.13,57.91 127.13,57.4 126.49,57.4 126.49,58.29 126.62,58.42 128.14,58.42 128.4,58.67 128.4,60.2 128.52,60.33 129.16,60.33
MGTAVCC on ART03: 98.17,52.58 98.17,51.56 98.3,51.44 100.58,51.44 101.09,51.94 102.11,51.94 102.62,51.44 108.97,51.44 109.47,51.94 119.25,51.94 120.52,53.21 127.38,53.21 127.89,53.72 127.89,58.29 127.76,58.42 122.68,58.42 122.43,58.17 122.43,56.26 121.92,55.75 113.03,55.75 112.78,55.5 110.11,55.5 109.35,54.74 100.97,54.74 100.84,54.61 100.84,53.98 100.58,53.72 99.95,53.72 99.82,53.59 99.82,52.96 99.69,52.83 98.42,52.83
MGTAVTT on TOP (solid shape): 122.81,60.07 122.81,57.02 122.68,56.9 121.79,56.9 121.54,56.64 121.54,56.13 121.41,56.01 120.4,56.01 120.27,56.13 120.27,57.02 121.54,57.02 121.54,57.53 122.56,57.53 122.56,58.04 122.05,58.04 122.05,57.53 121.03,57.53 121.03,57.02 120.27,57.02 120.27,58.29 120.4,58.42 121.67,58.42 121.79,58.55 121.79,60.07 121.92,60.2 122.68,60.2
MGTAVTT on ART03: 96.9,55.5 96.9,52.83 97.03,52.7 97.92,52.7 98.04,52.83 98.04,53.34 98.17,53.47 98.81,53.47 99.06,53.72 99.06,54.23 99.31,54.48 99.82,54.48 100.33,54.99 101.73,54.99 102.23,55.5 104.65,55.5 105.16,54.99 105.66,54.99 106.17,55.5 106.81,55.5 107.31,54.99 108.84,54.99 110.11,56.26 121.54,56.26 121.67,56.39 121.67,58.29 121.54,58.42 99.19,58.42 98.81,58.04 98.81,56.9 97.66,55.75 97.16,55.75
VTTDDR3_1 on TOP (solid shape): 99.44,78.87 104.9,78.87 105.03,78.74 105.03,77.22 106.68,75.56 106.68,75.44 106.55,75.31 105.54,75.31 105.16,74.93 104.39,74.93 102.87,76.45 99.19,76.45 99.06,76.33 99.06,66.04 98.93,65.91 95.76,65.91 95.63,66.04 95.63,68.51 97.3,68.51 97.3,69.27 96.54,69.27 96.54,68.51 95.63,68.51 95.63,69.46 97.3,69.46 97.3,70.22 96.54,70.22 96.54,69.46 95.63,69.46 95.63,72 97.3,72 97.3,72.76 96.54,72.76 96.54,72 95.63,72 95.63,72.95 97.3,72.95 97.3,73.72 96.54,73.72 96.54,72.95 95.63,72.95 95.63,75.49 97.3,75.49 97.3,76.26 96.54,76.26 96.54,75.49 95.63,75.49 95.63,77.6 103.76,77.6 103.76,78.11 103.25,78.11 103.25,77.6 103,77.6 103,78.11 102.49,78.11 102.49,77.6 101.85,77.6 101.85,78.11 101.22,78.11 101.22,77.6 100.97,77.6 100.97,78.11 100.46,78.11 100.46,77.6 99.69,77.6 99.69,78.11 99.06,78.11 99.06,77.6 95.63,77.6 95.5,77.72 94.49,77.72 94.36,77.85 94.36,78.87 94.49,78.99 99.31,78.99
VTTDDR3_1 on ART08: 95.89,80.26 81.15,80.26 81.03,80.14 81.03,78.87 81.15,78.74 93.98,78.74 94.61,78.11 94.61,66.17 94.74,66.04 96.14,66.04 96.27,66.17 96.27,79.88
VTTDDR3_2 on TOP (solid shape): outline of 86 points within 136.78,40.64 151.26,55.24
VTTDDR3_2 on BOTTOM (solid shape): 151.51,49.28 151.51,47.75 151.26,47.5 150.37,47.5 147.83,44.96 145.16,44.96 144.91,45.21 144.91,48.13 145.03,48.26 147.83,48.26 148.34,48.77 148.34,49.28 148.46,49.4 151.38,49.4

Small or netless copper shapes (teardrops, artwork), in the pictures only: 81 on TOP

## Text on the board
User.Comments: XJ3 | XJ4
